# Altium PCB EnergyMeterTestPlugMultiple.PcbDoc
Units mm, origin at the board's own origin, x right, y up, seen from the top; angles counter-clockwise.
Board outline 88.13 x 88.11 mm, 2 copper layers (Top Layer, Bottom Layer); 120 components, 87 nets, 490 pads, 4 vias.
Unrouted connection lines stored in the file: 258.
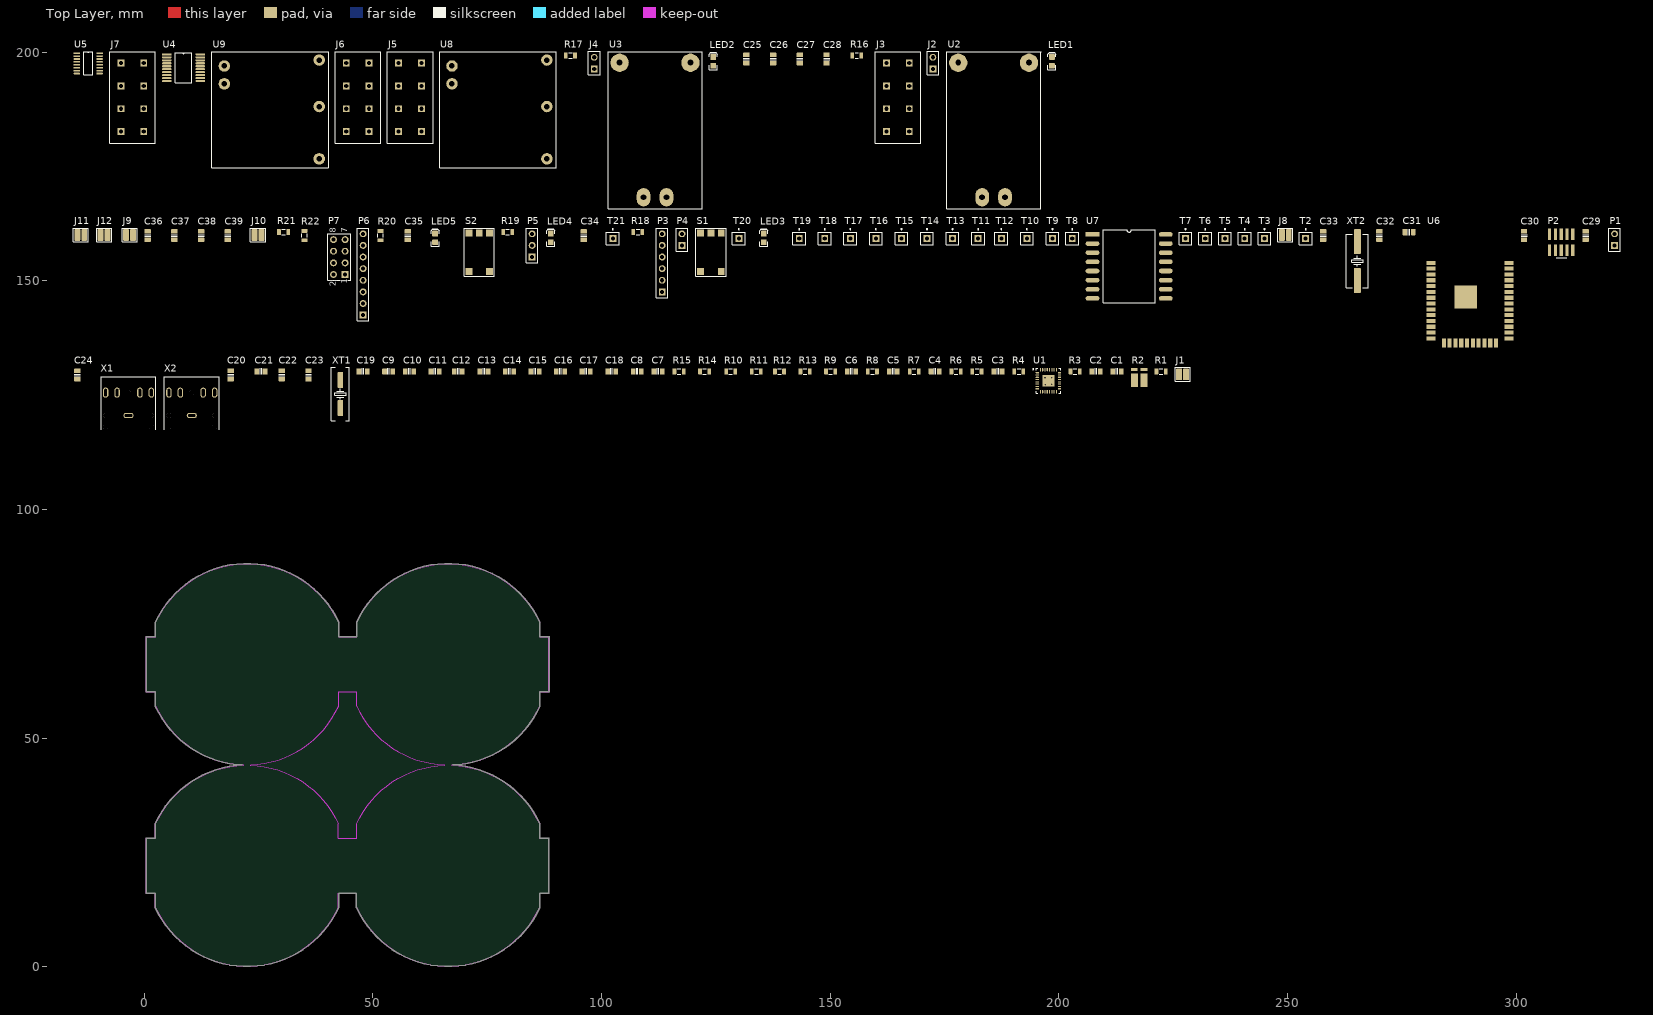
[diagram p0: Top Layer view]
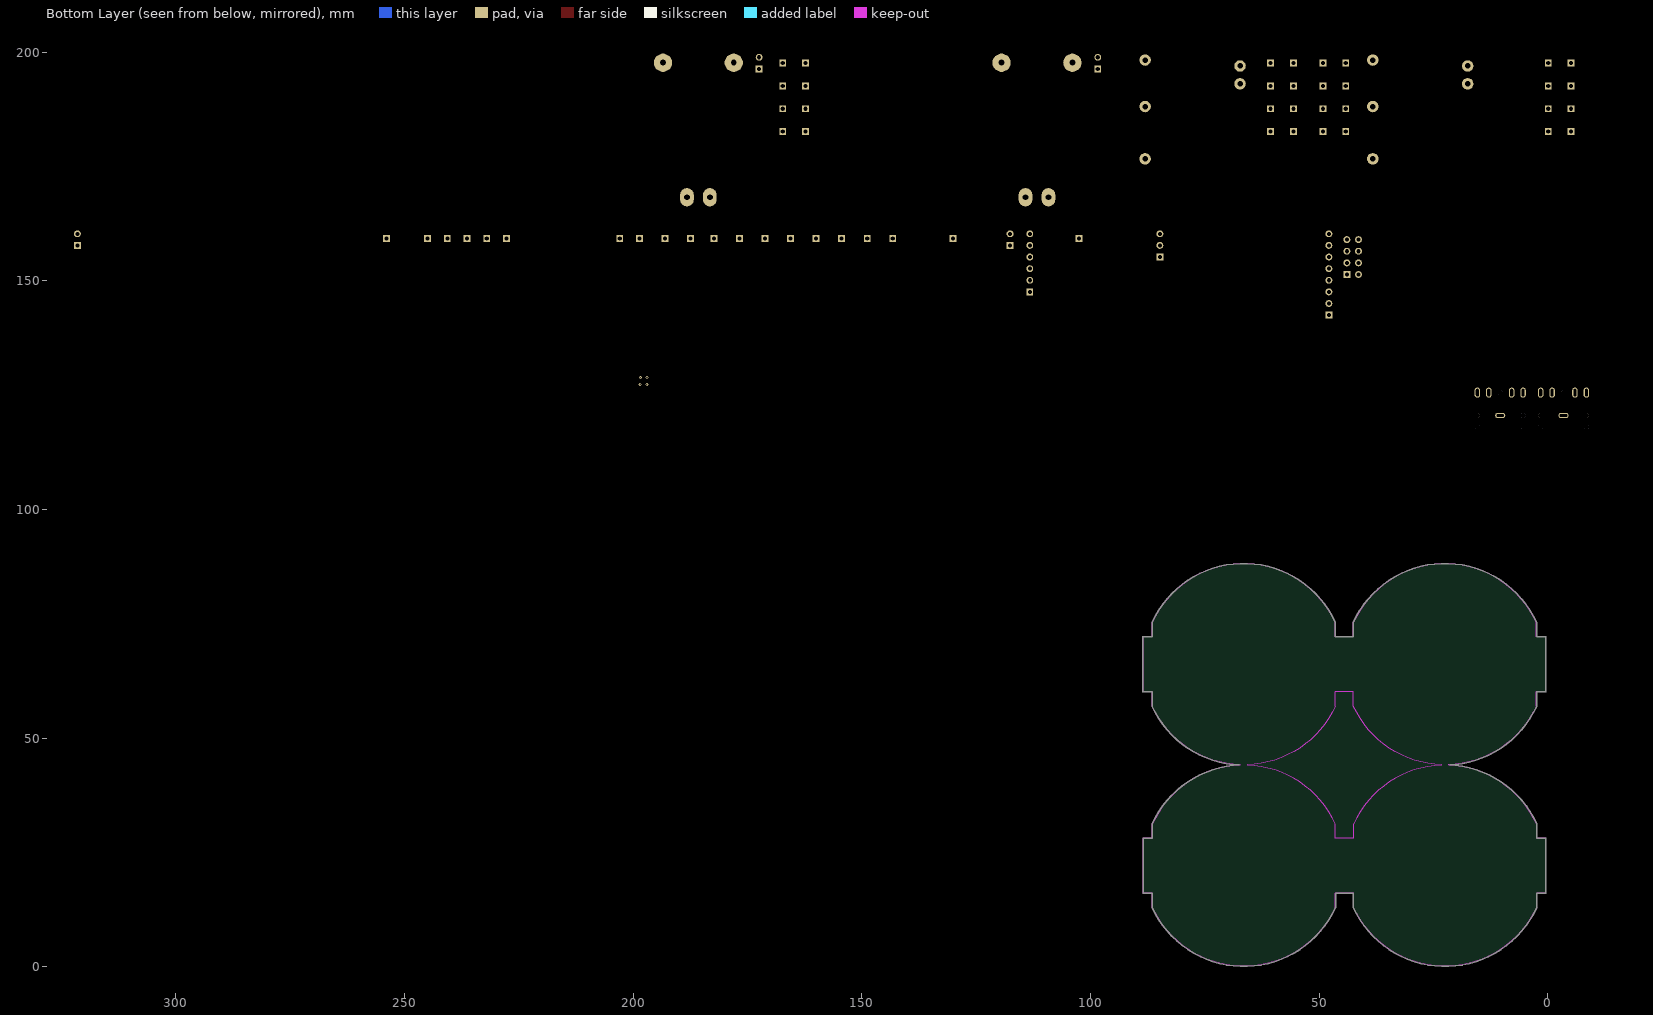
[diagram p1: Bottom Layer view, seen from below]

## Layer stack, top to bottom
Top Solder: solder mask 0.0102, Solder Resist, Dk 3.5
Top Layer: signal copper 0.0356
Dielectric 1: dielectric 0.32, FR-4, Dk 4.8
Bottom Layer: signal copper 0.0356
Bottom Solder: solder mask 0.0102, Solder Resist, Dk 3.5

## Board outline
899 vertices, not listed, extent 0.429,0.061 88.558,88.173

## Design rules (kind name [scope] priority, off if disabled: settings)
Clearance [All] p1: gap=0.254 ignorepadtopadclearanceinfootprint=FALSE except(0: Arc-Hole Track-Hole SMDPad-Hole THPad-Hole Via-Hole Fill-Hole Poly-Hole Region-Hole Text-Hole)
PolygonConnect [All] p1: connectstyle=Relief reliefconductorwidth=0.254 reliefentries=4 polygonreliefangle="90 Angle" airgapwidth=0.254
RoutingVias [All] p1: holewidth=0.711 width=1.27 viastyle="Through Hole" minholewidth=0.711 minwidth=1.27 maxholewidth=0.711 maxwidth=1.27
SolderMaskExpansion [All] p1: expansion=0.102
Width [All] p1: maxlimit=0.254 minlimit=0.254 preferedwidth=0.254
30 further rules are at their usual default settings.

## Classes and differential pairs
component class Isolation_Circuit: C25 C26 C27 C28 J2 J3 J4 J5 J6 J7 LED1 LED2 R16 R17 U2 U3 U4 U5 U8 U9
component class Designator: C29 C30 C31 C32 C33 C34 C35 C36 C37 C38 C39 IC1 J8 J9 J10 J11 J12 LED3 LED4 LED5 P1 P2 P3 P4 P5 P6 P7 R18 R19 R20 R21 R22 S1 S2 T2 T3 T4 T5 T6 T7 T8 T9 T10 T11 T12 T13 T14 T15 T16 T17 T18 T19 T20 T21 U6 U7 XT2

## Components (designator, comment, footprint, x,y, rotation, side; value= is the part's Value field where it differs from the comment)
C1 "approved sub OK" CAPC2012X135N 212.725,130.175 r0 top value=100n
C2 "approved sub OK" CAPC2012X135N 208.153,130.175 r0 top value=100n
C3 "approved sub OK" CAPC2012X135N 186.69,130.175 r0 top value=100n
C4 "approved sub OK" CAPC2012X135N 172.974,130.175 r0 top value=100n
C5 "approved sub OK" CAPC2012X135N 163.83,130.175 r0 top value=100n
C6 "approved sub OK" CAPC2012X135N 154.686,130.175 r0 top value=15n
C7 "approved sub OK" CAPC2012X135N 112.395,130.175 r0 top value=47n
C8 "approved sub OK" CAPC2012X135N 107.823,130.175 r0 top value=1u
C9 "approved sub OK" CAPC2012X135N 53.467,130.175 r0 top value=4.7u
C10 "approved sub OK" CAPC2012X135N 58.039,130.175 r0 top value=100n
C11 "approved sub OK" CAPC2012X135N 63.627,130.175 r0 top value=4.7u
C12 "approved sub OK" CAPC2012X135N 68.707,130.175 r0 top value=100n
C13 "approved sub OK" CAPC2012X135N 74.295,130.175 r0 top value=470n
C14 "approved sub OK" CAPC2012X135N 79.883,130.175 r0 top value=100n
C15 "approved sub OK" CAPC2012X135N 85.471,130.175 r0 top value=4.7u
C16 "approved sub OK" CAPC2012X135N 91.059,130.175 r0 top value=100n
C17 "approved sub OK" CAPC2012X135N 96.647,130.175 r0 top value=4.7u
C18 "approved sub OK" CAPC2012X135N 102.235,130.175 r0 top value=100n
C19 "approved sub OK" CAPC2012X135N 47.879,130.175 r0 top value=20n
C20 "approved sub OK" CAPC2012X135N 18.923,129.413 r90 top value=4.7u
C21 "approved sub OK" CAPC2012X135N 25.527,130.175 r0 top value=100n
C22 "approved sub OK" CAPC2012X135N 30.099,129.413 r90 top value=4.7u
C23 "approved sub OK" CAPC2012X135N 35.941,129.413 r90 top value=100n
C24 "approved sub OK" CAPC2012X135N -14.605,129.413 r90 top value=20n
C25 "approved sub OK" CAPC2012X135N 131.699,198.501 r90 top value=100n
C26 "approved sub OK" CAPC2012X135N 137.541,198.501 r90 top value=100n
C27 "approved sub OK" CAPC2012X135N 143.383,198.501 r90 top value=100n
C28 "approved sub OK" CAPC2012X135N 149.225,198.501 r90 top value=100n
C29 "approved sub OK" CAPC2012X135N 315.214,159.893 r90 top value=10u
C30 "approved sub OK" CAPC2012X135N 301.752,159.893 r90 top value=100n
C31 "approved sub OK" CAPC2012X135N 276.606,160.655 r0 top value=4.7u
C32 "approved sub OK" CAPC2012X135N 270.129,159.893 r90 top value=27p
C33 "approved sub OK" CAPC2012X135N 257.81,159.893 r90 top value=27p
C34 "approved sub OK" CAPC2012X135N 96.139,159.893 r90 top value=100n
C35 "approved sub OK" CAPC2012X135N 57.658,159.893 r90 top value=100n
C36 "approved sub OK" CAPC2012X135N 0.762,159.893 r90 top value=100n
C37 "approved sub OK" CAPC2012X135N 6.604,159.893 r90 top value=100n
C38 "approved sub OK" CAPC2012X135N 12.446,159.893 r90 top value=100n
C39 "approved sub OK" CAPC2012X135N 18.288,159.893 r90 top value=100n
J1 "Jumper" JUMP1 227.076,129.54 r0 top
J2 "Jumper" HDR1X2 172.466,196.342 r90 top
J3 "SPTAF 1/4-5-LL" "SPTAF 1/4-5-LL" 162.306,197.612 r0 top
J4 "Jumper" HDR1X2 98.425,196.342 r90 top
J5 "SPTAF 1/4-5-LL" "SPTAF 1/4-5-LL" 55.626,197.612 r0 top
J6 "SPTAF 1/4-5-LL" "SPTAF 1/4-5-LL" 44.196,197.612 r0 top
J7 "SPTAF 1/4-5-LL" "SPTAF 1/4-5-LL" -5.08,197.612 r0 top
J8 "Jumper" JUMP1 249.555,160.02 r0 top
J9 "Jumper" JUMP1 -3.175,160.02 r0 top
J10 "Jumper" JUMP1 24.892,160.02 r0 top
J11 "Jumper" JUMP1 -13.843,160.02 r0 top
J12 "Jumper" JUMP1 -8.763,160.02 r0 top
LED1 "Green" LED-0805-K 198.501,197.993 r90 top
LED2 "Green" LED-0805-K 124.46,197.993 r90 top
LED3 "Green" LED-0805-K 135.509,159.385 r90 top
LED4 "Green" LED-0805-K 88.9,159.385 r90 top
LED5 "Green" LED-0805-K 63.627,159.385 r90 top
P1 "Header 2" HDR1X2 321.564,157.734 r90 top
P2 "SWD connector" "SWD connector" 307.34,156.718 r0 top
P3 "Header 6" HDR1X6 113.284,147.574 r90 top
P4 "Header 2" HDR1X2 117.602,157.734 r90 top
P5 "Header 3" HDR1X3 84.836,155.194 r90 top
P6 "LCD" HDR1X8 47.879,142.494 r90 top
P7 "NRF24L01" HDR2X4 43.942,151.384 r90 top
R1 "Thick Film" RESC2012X70N 222.377,130.175 r0 top value=100K
R2 "WSK1216" WSK1216 216.535,128.27 r0 top
R3 "Thick Film" RESC2012X70N 203.581,130.175 r0 top value=100K
R4 "Thick Film" RESC2012X70N 191.262,130.175 r0 top value=0R
R5 "Thick Film" RESC2012X70N 182.118,130.175 r0 top value=100K
R6 "Thick Film" RESC2012X70N 177.546,130.175 r0 top value=100K
R7 "Thick Film" RESC2012X70N 168.402,130.175 r0 top value=100K
R8 "Thick Film" RESC2012X70N 159.258,130.175 r0 top value=100K
R9 "Thick Film" RESC2012X70N 150.114,130.175 r0 top value=1K
R10 "Thick Film" RESC2012X70N 128.27,130.175 r0 top value=250K
R11 "Thick Film" RESC2012X70N 133.858,130.175 r0 top value=250K
R12 "Thick Film" RESC2012X70N 138.938,130.175 r0 top value=250K
R13 "Thick Film" RESC2012X70N 144.526,130.175 r0 top value=250K
R14 "Thick Film" RESC2012X70N 122.555,130.175 r0 top value=10K
R15 "Thick Film" RESC2012X70N 116.967,130.175 r0 top value=10K
R16 "Thick Film" RESC2012X70N 155.829,199.263 r0 top value=1K
R17 "Thick Film" RESC2012X70N 93.218,199.263 r0 top value=1K
R18 "Thick Film" RESC2012X70N 107.95,160.655 r0 top value=1K
R19 "Thick Film" RESC2012X70N 79.502,160.655 r0 top value=1K
R20 "Thick Film" RESC2012X70N 51.689,159.893 r90 top value=1K
R21 "Thick Film" RESC2012X70N 30.48,160.655 r0 top value=1K
R22 "Thick Film" RESC2012X70N 35.052,159.893 r90 top value=1K
S1 "SMD_BUTTON" SMD_BUTTON 123.952,156.21 r90 top
S2 "SMD_BUTTON" SMD_BUTTON 73.279,156.21 r90 top
T2 "Test Point" PIN1 254,159.258 r0 top
T3 "Test Point" PIN1 244.983,159.258 r0 top
T4 "Test Point" PIN1 240.665,159.258 r0 top
T5 "Test Point" PIN1 236.347,159.258 r0 top
T6 "Test Point" PIN1 232.029,159.258 r0 top
T7 "Test Point" PIN1 227.711,159.258 r0 top
T8 "Test Point" PIN1 202.946,159.258 r0 top
T9 "Test Point" PIN1 198.628,159.258 r0 top
T10 "Test Point" PIN1 193.04,159.258 r0 top
T11 "Test Point" PIN1 182.372,159.258 r0 top
T12 "Test Point" PIN1 187.452,159.258 r0 top
T13 "Test Point" PIN1 176.784,159.258 r0 top
T14 "Test Point" PIN1 171.196,159.258 r0 top
T15 "Test Point" PIN1 165.608,159.258 r0 top
T16 "Test Point" PIN1 160.02,159.258 r0 top
T17 "Test Point" PIN1 154.432,159.258 r0 top
T18 "Test Point" PIN1 148.844,159.258 r0 top
T19 "Test Point" PIN1 143.256,159.258 r0 top
T20 "Test Point" PIN1 130.048,159.258 r0 top
T21 "Test Point" PIN1 102.489,159.258 r0 top
U1 "ADE9153A" CP-32-12_L 197.739,128.143 r0 top
U2 "HLK-PM03" HLK-PM03 183.261,168.275 r90 top
U3 "HLK-PM03" HLK-PM03 109.22,168.275 r90 top
U4 "MAX14483" SSOP20 4.953,199.517 r0 top
U5 "SI8663BB-B-IU" QSOP16 -14.732,199.771 r0 top
U6 "ESP32-WROOM-32U" ESP32-WROOM-32U 281.432,153.924 r0 top
U7 "Ra-02 LoRa" "Ra-02 LoRa" 207.391,160.147 r0 top
U8 "AC/DC 3.3V" RAC05-3.3SK 67.31,196.977 r0 top
U9 "AC/DC 3.3V" RAC05-3.3SK 17.526,196.977 r0 top
X1 "35RAPC4BHN2" "35RAPC _ _ HN2" -3.429,121.793 r90 top
X2 "35RAPC4BHN2" "35RAPC _ _ HN2" 10.414,121.793 r90 top
XT1 "12.288 MHz" ABLS7M2 42.926,125.222 r90 top
XT2 "20.00MHz" CRYSTAL_HC49-US-SM 265.303,154.305 r90 top

## Footprints (in the part's own frame and the unit in brackets; to place one, negate y for a bottom-side part, rotate by r counter-clockwise, add the part's x,y. Pads: shape width x height; smd on the part's side, far side on the other; paste and mask are expansions set on the pad)
"35RAPC _ _ HN2" [mm] "Switchcraft 3.5mm audio jack"
  round 1 hole 1.2 unplated: 0(-3.75,-5) 0(-3.75,5) 0(-1.25,5) 0(-1.25,-5) 0(3.75,0)
  oval 1.2x2.2 hole 0.6 slot 1.6 at 90 deg: 1(-1.25,0)
  oval 2.2x1.2 hole 0.6 slot 1.6 at 0 deg: 2(3.75,-5) 3(3.75,5) 10(3.75,-2.5) 11(3.75,2.5)
  silkscreen extent -4.35,-6 7.25,6, body extent -7.75,-6 6.25,6, height 5.7
ABLS7M2 [mm] "SMD Crystal HC49/US-SM package"
  round 0.508 on Mech15: 0(0,0)
  rrect25% 3.5x1.2 smd: 1(-3.07,0) 2(3.07,0)
  silkscreen extent -5.84,-1.96 5.84,1.96
CAPC2012X135N [mm] "Chip Capacitor, Body 2.0x1.2mm, EIA 0805, IPC Medium Density"
  round 0.254 on Mech15: 0(0,0)
  rrect25% 1x1.4 smd: 1(-0.9,0) 2(0.9,0)
  Top Layer pour cut-out: -0.675,0.7 -0.475,0.9 0.475,0.9 0.675,0.7 0.675,-0.7 0.475,-0.9 -0.475,-0.9 -0.675,-0.7
  silkscreen extent -0.15,-0.65 0.15,0.65, body extent -1.1,-0.72 1.1,0.73, height 1.34
CP-32-12_L [mm] "QFN, 32-Leads, Body 5x5mm, Pitch 0.5mm, Thermal Pad 2.6x2.6mm, IPC High Density"
  oval 0.75x0.25 smd: 1(-2.425,1.75) 2(-2.425,1.25) 3(-2.425,0.75) 4(-2.425,0.25) 5(-2.425,-0.25) 6(-2.425,-0.75) 7(-2.425,-1.25) 8(-2.425,-1.75) 17(2.425,-1.75) 18(2.425,-1.25) 19(2.425,-0.75) 20(2.425,-0.25) 21(2.425,0.25) 22(2.425,0.75) 23(2.425,1.25) 24(2.425,1.75)
  oval 0.25x0.75 smd: 9(-1.75,-2.425) 10(-1.25,-2.425) 11(-0.75,-2.425) 12(-0.25,-2.425) 13(0.25,-2.425) 14(0.75,-2.425) 15(1.25,-2.425) 16(1.75,-2.425) 25(1.75,2.425) 26(1.25,2.425) 27(0.75,2.425) 28(0.25,2.425) 29(-0.25,2.425) 30(-0.75,2.425) 31(-1.25,2.425) 32(-1.75,2.425)
  rect 2.6x2.6 smd: 33(0,0)
  silkscreen extent -3.47,-2.7 2.7,2.7, body extent -2.55,-2.55 2.55,2.55, height 0.8
CRYSTAL_HC49-US-SM [mm] "SMD Crystal HC49/US-SM package"
  round 0.508 on Mech15: 0(0,0)
  rrect25% 5.5x1.5 smd: 1(-4.25,0) 2(4.25,0)
  silkscreen extent -5.84,-2.41 5.84,2.41, body extent -6.4,-2.41 6.4,2.42, height 4.29
ESP32-WROOM-32U [mm]
  rect 2x0.9 smd: 1(0,0) 2(0,-1.27) 3(0,-2.54) 4(0,-3.81) 5(0,-5.08) 6(0,-6.35) 7(0,-7.62) 8(0,-8.89) 9(0,-10.16) 10(0,-11.43) 11(0,-12.7) 12(0,-13.97) 13(0,-15.24) 14(0,-16.51) 25(17,-16.51) 26(17,-15.24) 27(17,-13.97) 28(17,-12.7) 29(17,-11.43) 30(17,-10.16) 31(17,-8.89) 32(17,-7.62) 33(17,-6.35) 34(17,-5.08) 35(17,-3.81) 36(17,-2.54) 37(17,-1.27) 38(17,0)
  rect 0.9x2 smd: 15(2.78,-17.51) 16(4.05,-17.51) 17(5.32,-17.51) 18(6.59,-17.51) 19(7.86,-17.51) 20(9.13,-17.51) 21(10.4,-17.51) 22(11.67,-17.51) 23(12.94,-17.51) 24(14.21,-17.51)
  rect 5x5 smd: 38(7.56,-7.47)
  body extent -0.57,-17.89 17.51,7.65, height 3
HDR1X2 [mm] "Connector; Header; 2 Position"
  rect 1.5x1.5 hole 0.9: 1(0,0)
  round 1.5 hole 0.9: 2(2.54,0)
  silkscreen extent -1.27,-1.27 3.81,1.27
HDR1X3 [mm] "Connector; Header; 3 Position"
  rect 1.5x1.5 hole 0.9: 1(0,0)
  round 1.5 hole 0.9: 2(2.54,0) 3(5.08,0)
  silkscreen extent -1.27,-1.27 6.35,1.27
HDR1X6 [mm] "Connector; Header; 6 Position"
  rect 1.5x1.5 hole 0.9: 1(0,0)
  round 1.5 hole 0.9: 2(2.54,0) 3(5.08,0) 4(7.62,0) 5(10.16,0) 6(12.7,0)
  silkscreen extent -1.27,-1.27 13.97,1.27
HDR1X8 [mm] "Connector; Header; 8 Position"
  rect 1.5x1.5 hole 0.9: 1(0,0)
  round 1.5 hole 0.9: 2(2.54,0) 3(5.08,0) 4(7.62,0) 5(10.16,0) 6(12.7,0) 7(15.24,0) 8(17.78,0)
  silkscreen extent -1.27,-1.27 19.05,1.27
HDR2X4 [mm] "Connector; Header; 4x2 Position"
  rect 1.5x1.5 hole 0.9: 1(0,0)
  round 1.5 hole 0.9: 2(0,2.54) 3(2.54,0) 4(2.54,2.54) 5(5.08,0) 6(5.08,2.54) 7(7.62,0) 8(7.62,2.54)
  silkscreen extent -1.27,-1.27 8.89,3.81
HLK-PM03 [mm]
  oval 4x3 hole 1.3: 1(0,-5.004) 2(0,0)
  round 4 hole 1.3: 3(29.413,5.232) 4(29.413,-10.236)
  silkscreen extent -2.54,-12.88 31.85,7.75, body extent -2.29,-12.67 31.71,7.53, height 15.6
JUMP1 [mil] "SMT Battery jumper pads"
  rrect25% 50x100 smd: 1(-30,0) 2(30,0)
  rrect25% 118x108 on Top Solder: SM(0,0)
  silkscreen extent -65,-60 65,60
LED-0805-K [mil]
  round 20 on Mech15: 0(0,0)
  rrect25% 50x50 smd: A(-37.5,0) K(37.5,0)
  Top Layer pour cut-out: -15,30 15,30 15,-30 -15,-30
  silkscreen extent -72,-35 77,35, body extent -39,-25 39,25, height 31
PIN1 [mm] "Generic Antenna; 1 Lead"
  rect 1.5x1.5 hole 0.9: 1(0,0)
  silkscreen extent -1.4,-1.4 1.4,2.17
QSOP16 [mm]
  rect 1.45x0.35 smd: 1(0,0)
  oval 1.45x0.35 smd: 2(0,-0.635) 3(0,-1.27) 4(0,-1.905) 5(0,-2.54) 6(0,-3.175) 7(0,-3.81) 8(0,-4.445) 9(5,-4.445) 10(5,-3.81) 11(5,-3.175) 12(5,-2.54) 13(5,-1.905) 14(5,-1.27) 15(5,-0.635) 16(5,0)
  silkscreen extent 1.56,-4.76 3.44,0.32, body extent -0.59,-4.71 5.61,0.27, height 1.75
"Ra-02 LoRa" [mm]
  rect 3x1 smd: 1(0,0)
  oval 3x1 smd: 2(0,-2) 3(0,-4) 4(0,-6) 5(0,-8) 6(0,-10) 7(0,-12) 8(0,-14) 9(16,-14) 10(16,-12) 11(16,-10) 12(16,-8) 13(16,-6) 14(16,-4) 15(16,-2) 16(16,0)
  silkscreen extent 2.33,-15 13.67,1, body extent -0.21,-15.51 15.79,1.49, height 3.2
RAC05-3.3SK [mm]
  round 2.5 hole 1.2: 1(0,-3.9) 2(0,0) 3(20.76,-20.3) 4(20.76,-8.87) 5(20.76,1.29)
  silkscreen extent -2.7,-22.27 22.79,3.13
RESC2012X70N [mm] "Chip Resistor, Body 2.0x1.2mm, EIA 0805, IPC Medium Density"
  round 0.254 on Mech15: 0(0,0)
  rrect25% 0.8x1.3 smd: 1(-1,0) 2(1,0)
  Top Layer pour cut-out: -0.725,0.65 -0.525,0.85 0.525,0.85 0.725,0.65 0.725,-0.65 0.525,-0.85 -0.525,-0.85 -0.725,-0.65
  silkscreen extent -0.38,-0.64 0.38,0.64, body extent -1.1,-0.67 1.1,0.68, height 0.69
SMD_BUTTON [mm]
  rect 1.5x1.5 smd: 1(-4.204,2.261) 1(4.204,2.261) 2(-4.204,-2.261) 2(4.204,-2.261) 5(4.204,0)
  silkscreen extent -5.22,-3.33 5.32,3.28, body extent -3.95,-3.3 4.05,3.2, height 3.1
"SPTAF 1/4-5-LL" [mm]
  rect 1.5x1.5 hole 0.9: 1(0,0) 1(5,0) 2(0,-5) 2(5,-5) 3(0,-10) 3(5,-10) 4(0,-15) 4(5,-15)
  silkscreen extent -2.44,-17.5 7.56,2.5
SSOP20 [mm]
  rect 2.1x0.45 smd: 1(0,0)
  oval 2.1x0.45 smd: 2(0,-0.65) 3(0,-1.3) 4(0,-1.95) 5(0,-2.6) 6(0,-3.25) 7(0,-3.9) 8(0,-4.55) 9(0,-5.2) 10(0,-5.85) 11(7.35,-5.85) 12(7.35,-5.2) 13(7.35,-4.55) 14(7.35,-3.9) 15(7.35,-3.25) 16(7.35,-2.6) 17(7.35,-1.95) 18(7.35,-1.3) 19(7.35,-0.65) 20(7.35,0)
  silkscreen extent 1.89,-6.18 5.47,0.33, body extent -0.25,-6.6 7.65,0.73, height 3
"SWD connector" [mm]
  rect 0.7x2.5 smd: 1(0,0) 2(0,3.49) 3(1.27,0) 4(1.27,3.49) 5(2.54,0) 6(2.54,3.49) 7(3.81,0) 8(3.81,3.49) 9(5.08,0) 10(5.08,3.49)
  silkscreen extent 1.46,-1.73 3.75,-1.73, body extent -0.64,-0.98 5.71,4.52, height 4.6
WSK1216 [mm] "Power Metal Strip Resistors, Low Value,  High Power, Surface-Mount, 4-Terminal"
  rect 1.495x2.95 smd: 1(0,0) 2(2.14,0)
  rect 1.495x0.7 smd: 3(-0.01,2.33) 4(2.14,2.33)

## Part data
C1 C2 C3 C4 C5 C6 C7 C8 C9 C10 C11 C12 C13 C14 C15 C16 C17 C18 C19 C20 C21 C22 C23 C24 C25 C26 C27 C28 C29 C30 C31 C34 C35 C36 C37 C38 C39: library part CAPC_100n_0805_X7R_50V_10%, "Capacitor SMD Cer 100nF 10% 50V X7R 0805", Manufacturer 1=Kemet, Manufacturer Part Number 1=C0805C104K5RACTU, Package / Case="0805 (2012 metric)", Ratings="50V; X7R", Supplier Part Number 1=399-1170-1-ND, Tolerance=±10%, Material=ceramic, SCDType=undef, Supplier 1=Digi-Key
C32 C33: library part CAPC_27p_0805_NP0_50V_5%, "Capacitor SMD Cer 27pF 5% 50V NP0 0805", Manufacturer 1="Panasonic - ECG", Manufacturer Part Number 1=ECJ-2VC1H270J, Operating Temperature="-55°C ~ 125°C", Package / Case="0805 (2012 metric)", Ratings="50V; NP0", Supplier Part Number 1=PCC270CGCT-ND, Tolerance=±5%, SCDType=undef, Supplier 1=Digi-Key
J1 J2 J4 J8 J9 J10 J11 J12: library part JUMP1, "SMD jumper"
LED1 LED2 LED3 LED4 LED5: library part LED_SMD_Green_0805_6mcd, "LED, 0805 SMD, Green", Manufacturer 1=LITE-ON, Manufacturer Part Number 1=LTST-C171GKT, Package / Case=0805, Ratings="6 mcd; 569 nm", Supplier Part Number 1=160-1423-1-ND, Color=Green, Material=GaP, SCDType=source, Supplier 1=Digi-Key
P1 P4: "Header, 2-Pin", LatestRevisionDate=17-Jul-2002, LatestRevisionNote="Re-released for DXP Platform.", Publisher="Altium Limited"
P2: library part SW_debug
P3: "Header, 6-Pin", LatestRevisionDate=17-Jul-2002, LatestRevisionNote="Re-released for DXP Platform.", Publisher="Altium Limited"
P5: "Header, 3-Pin", LatestRevisionDate=17-Jul-2002, LatestRevisionNote="Re-released for DXP Platform.", Publisher="Altium Limited"
P6: library part "Header 8", "Header, 8-Pin", LatestRevisionDate=17-Jul-2002, LatestRevisionNote="Re-released for DXP Platform.", Publisher="Altium Limited"
P7: library part "Header 4X2", "Header, 4-Pin, Dual row", LatestRevisionDate=17-Jul-2002, LatestRevisionNote="Re-released for DXP Platform.", Publisher="Altium Limited"
R1 R3 R4 R5 R6 R7 R8 R9 R10 R11 R12 R13 R14 R15: library part RES_100K_0805_1%, "Resistor SMD chip 100k Ohm 0.125W 1% 0805", Manufacturer 1=Vishay/Dale, Manufacturer Part Number 1=CRCW0805100KFKEA, Package / Case="0805 (2012 metric)", Ratings=1/8W, Supplier Part Number 1=541-100KCCT-ND, SCDType=spec, Supplier 1=Digi-Key
R2: library part wsk1216, "Power Metal Strip® Resistors, Low Value, / High Power, Surface-Mount, 4-Terminal", Mouser=71-WSK12161L000FEA
R16 R17 R18 R19 R20 R21 R22: library part RES_1K_0805_1%, "Resistor SMD chip 1k Ohm 0.125W 1% 0805", Manufacturer 1=Vishay/Dale, Manufacturer Part Number 1=CRCW08051K00FKEA, Package / Case="0805 (2012 metric)", Ratings=1/8W, Supplier Part Number 1=541-1.00KCCT-ND, Tolerance=±1%, SCDType=spec, Supplier 1=Digi-Key
T2 T3 T4 T5 T6 T7 T8 T9 T10 T11 T12 T13 T14 T15 T16 T17 T18 T19 T20 T21: library part Test_Point
U1: "Energy Metering IC with Autocalibration", Mouser=584-ADE9153AACPZ
U2 U3: "AC 220V to DC 3.3V"
U4: "6-Channel, Low-Power, / 3.75kVRMS, SPI Digital Isolator", Mouser=700-MAX14483AAP+
U5: library part Si8663BC-B-IS1, "Low Power Six-Channel Digital Isolator, 150 Mbps, 3.75 kVRMS Isolation Rating, -40 to 125 degC, 16-pin SOIC", Isolation Rating (kV)=3.75, Manufacturer="Silicon Labs", Supplier Part Number 1=336-2128-5-ND, 10kV surge=FALSE, AEC-Q100=FALSE, Channel Type=Unidirectional, Code_IPC=J-STD-020, Code_JEDEC=MS-012, ComponentLink1Description="Manufacturer URL", ComponentLink1URL=http://www.silabs.com/, ComponentLink2Description=Datasheet, ComponentLink2URL=http://www.silabs.com/Support%20Documents/TechnicalDocs/Si866x.pdf, ComponentLink3Description="Package Specification", ComponentLink3URL=http://www.silabs.com/Support%20Documents/TechnicalDocs/si2401.pdf, DatasheetVersion="Rev. 1.4", Enable Control=FALSE, Maximum Data Rate (Mbps)=150, Maximum Propagation Delay (ns)=13, Mounting Technology="Surface Mount", Mouser=634-SI8660BB-B-IU, PackageDescription="16-Pin Small-Outline Integrated Circuit, Body 9.9 x 3.9 mm, Pitch 1.27 mm", PackageReference=SOIC-16-NB, PartNumber=Si8663BC-B-IS1, Sub-Family=Isolators, Supplier 1=Digi-Key, Supplier 2=Mouser, Supplier Part Number 2=634-SI8663BC-B-IS1
U6: "Wi-Fi+BT+BLE MCU modules", ComponentLink1Description=Espressif, ComponentLink1URL=https://hr.mouser.com/datasheet/2/891/esp32-wroom-32d_esp32-wroom-32u_datasheet_en-1365844.pdf, Mouser=356-ES32WROOM32U16MB
U8 U9: library part RAC05-3.3SK, Mouser=919-RAC05-3.3SK
X1 X2: library part "Audio jack 35RAPC4BHN2", "Switchcraft 35RAPC4BHN2, 3.5mm stereo jack"
XT1 XT2: library part Crystal_6MHz_HC49/US, "Resonator Ceramic 6.00 MHz 30ppm", Frequency=6MHz, Frequency Stability=±50ppm, Frequency Tolerance=±30ppm, Load Capacitance=18pF, Manufacturer 1="CTS-Frequency Controls", Manufacturer Part Number 1=ATS060BSM-1, Operating Mode=Fundamental, Operating Temperature="-20°C ~ 70°C", Package / Case=HC49/US-SM, Ratings="6.00 MHz", Supplier Part Number 1=CTX882CT-ND, ComponentLink1Description=http://www.ctscorp.com/components/Datasheets/008-0309-0.pdf, ComponentLink1URL=http://www.ctscorp.com/components/Datasheets/008-0309-0.pdf, Mounting Type="Surface Mount", Parameter Name="0.169\" (4.30mm)", SCDType=spec, Size / Dimension="0.437\" L x 0.190\" W (11.10mm x 4.83mm)", Supplier 1=Digi-Key, Type="MHz Crystal"

## Via types
v1: diameter 0.65, hole 0.35, Top Layer to Bottom Layer, 4 vias

## Nets (pads, with @x,y where several pads share a name; then routed paths per layer and width w, separated by ;. In a path a pad name is that pad's centre, name@x,y a point inside that pad or via, vN(x,y) a via of type N, cw(c..) or ccw(c..) an arc to the next point about the centre after c; other vN are vias at no path point)
3V3-ADE: C20.1 C21.1 C22.1 C23.1 C25.1 C26.1 J2.1 J5.1 J6.1 R14.1 R15.1 R16.1 U1.5 U1.24 U4.1 U5.1 U8.5
AO-LCD: P6.4 T16.1
AVDDOUT: C9.1 C10.1 U1.16
BOOT0: R21.2
BOOT1: R22.2
CE-NRF: P3.1 P7.3 T9.1
CLK-ESP: P5.1 P7.5 T2.1 U6.20 U7.12
CLKIN: C19.2 U1.4 XT1.2
CLKOUT: C24.2 U1.3 XT1.1
CS-ESP: P3.4 T13.1 U6.19
CS-LCD: P6.6 T17.1
CSN-NRF: P3.2 P7.4 T10.1
CT1: R5.2 R6.1 X1.1 X2.1
CT2: R7.2 R8.2 X1.3 X2.2
DVDOUT: C17.1 C18.1 U1.2
FA1: C7.2 U1.22
FA2: C7.1 U1.23
GND: C27.2 C28.2 C29.1 C30.1 C31.2 C32.1 C33.1 C34.1 C35.1 C36.2 C37.2 C38.2 C39.2 J5.4 J6.4 J8.2 J11.2 J12.2 LED2.K LED3.K LED4.K LED5.K P2.3 P2.5 P6.7 P7.1 S1.2 S2.2 U3.3 U4.11 U4.12 U5.9 U6.1 U6.15 U6.38 U7.1 U7.2 U7.9 U7.16 U9.4
GND-ADE: C1.2 C2.1 C3.2 C4.2 C5.1 C8.2 C9.2 C10.2 C11.2 C12.2 C13.2 C14.2 C15.2 C16.2 C17.2 C18.2 C19.1 C20.2 C21.2 C22.2 C23.2 C24.1 C25.2 C26.2 J1.1 J5.2 J6.2 LED1.K R6.2 R7.1 U1.1 U1.9 U1.17 U1.19 U1.20 U2.3 U4.2 U4.10 U5.8 U8.4
IAMS: C3.1 R4.1 U1.6
IAN: C2.2 R3.1 U1.7
IAP: C1.1 R1.1 U1.8
IBN: C4.1 R5.1 U1.11
IBP: C5.2 R8.1 U1.12
IRQ-NRF: P3.6 P7.8 T15.1
LED1: R18.1
LED2: R19.1
LED3: R20.1
MISO-ESP: P3.5 P7.7 T14.1 U6.22 U7.13
MISO-LCD: P6.5 T18.1
MOSI-ESP: P3.3 P7.6 T11.1 U6.21 U7.14
MOSI-LCD: P6.3 T19.1
MSH: C13.1 C14.1 U1.21
NetC31_1: C31.1
NetIC1_17: T4.1 U5.14
NetIC1_20: T5.1 U5.12
NetIC1_21: T6.1 U4.14
NetIC1_22: T7.1 U4.17
NetIC1_23: T8.1 U4.15
NetIC1_24: T20.1 U4.13
NetIC1_25: T21.1 U5.15
NetIC1_27: T3.1 U5.13
NetJ2_2: J2.2 U2.4
NetJ3_1: J3.1 U2.1 U3.1
NetJ4_2: J4.2 U3.4
NetJ8_1: J8.1 U6.25
NetJ9_2: J9.2 J11.1 R21.1
NetJ10_2: J10.2 J12.1 R22.1
NetLED1_A: LED1.A R16.2
NetLED2_A: LED2.A R17.2
NetLED3_A: LED3.A R18.2
NetLED4_A: LED4.A R19.2
NetLED5_A: LED5.A R20.2
NetR1_2: R1.2 R2.4
NetR2_3: R2.3 R3.2
NetR10_1: R10.1 R11.2
NetR11_1: R11.1 R12.2
NetR12_1: R12.1 R13.2
NetU1_25: U1.25 U5.3
NetU1_26: U1.26 U5.2
NetU1_27: U1.27 U5.4
NetU1_29: U1.29 U4.6
NetU1_30: U1.30 U4.4
NetU1_31: U1.31 U4.7
NEUTRAL: J3.4 J7.1 R10.2 U2.2 U3.2 U8.2 U9.2
NSS-LORA: P5.2 U7.15
PHASE: J1.2 J7.3 R2.2 U8.1 U9.1
PHASE-OUT: J7.4 R2.1 R4.2
REFIN: C11.1 C12.1 U1.18
RES-ADE-HOT: C8.1 R15.2 U1.28 U5.5
RES-LORA: P5.3 U7.4
RESET: P2.10
RXD0-ESP32: P1.2 P4.1 U6.34
SCLK-LCD: P6.2 T12.1
SS-ADE-HOT: R14.2 U1.32 U4.8
SW1: C34.2 S1.1
SW2: C35.2 S2.1
SWCLK: P2.4
SWDIO: P2.2
SWO: P2.6
TXD0-ESP32: P1.1 P4.2 U6.35
VAN: C6.1 R9.1 U1.13 U1.15
VAP: C6.2 R9.2 R13.1 U1.14
VCC: C27.1 C28.1 C29.2 C30.2 C36.1 C37.1 C38.1 C39.1 J4.1 J5.3 J6.3 J9.1 J10.1 P2.1 P6.1 P6.8 P7.2 R17.1 U4.20 U5.16 U6.2 U6.3 U7.3 U9.5
VDDOUT: C15.1 C16.1 U1.10
XT1-1: C32.2 XT2.2
XT1-2: C33.2 XT2.1
pads on no net: C1.0 C2.0 C3.0 C4.0 C5.0 C6.0 C7.0 C8.0 C9.0 C10.0 C11.0 C12.0 C13.0 C14.0 C15.0 C16.0 C17.0 C18.0 C19.0 C20.0 C21.0 C22.0 C23.0 C24.0 C25.0 C26.0 C27.0 C28.0 C29.0 C30.0 C31.0 C32.0 C33.0 C34.0 C35.0 C36.0 C37.0 C38.0 C39.0 J1.SM J3.2 J3.3 J7.2 J8.SM J9.SM J10.SM J11.SM J12.SM LED1.0 LED2.0 LED3.0 LED4.0 LED5.0 P2.7 P2.8 P2.9 R1.0 R3.0 R4.0 R5.0 R6.0 R7.0 R8.0 R9.0 R10.0 R11.0 R12.0 R13.0 R14.0 R15.0 R16.0 R17.0 R18.0 R19.0 R20.0 R21.0 R22.0 S1.5 S2.5 U1.33 U4.3 U4.5 U4.9 U4.16 U4.18 U4.19 U5.6 U5.7 U5.10 U5.11 U6.4 U6.5 U6.6 U6.7 U6.8 U6.9 U6.10 U6.11 U6.12 U6.13 U6.14 U6.16 U6.17 U6.18 U6.23 U6.24 U6.26 U6.27 U6.28 U6.29 U6.30 U6.31 U6.32 U6.33 U6.36 U6.37 U7.5 U7.6 U7.7 U7.8 U7.10 U7.11 U8.3 U9.3 X1.0 X1.2 X1.10 X1.11 X2.0 X2.3 X2.10 X2.11 XT1.0 XT2.0
copper on no net:
  other v1: 197.009,127.283 198.479,127.343 196.999,128.823 198.469,128.833

## Keep-outs
Keep-Out Layer:
  lines w0.1: 21.718,44.085 20.201,43.98 18.694,43.77 17.206,43.457 15.742,43.041 14.311,42.526 12.919,41.912 11.573,41.204 10.279,40.405 9.043,39.518 7.871,38.548 6.769,37.499 5.743,36.377 4.796,35.186 3.934,33.933 3.16,32.623 2.479,31.263 2.479,28.098 0.479,28.098 0.479,16.098 2.479,16.098 2.479,12.933 3.16,11.573 3.934,10.263 4.796,9.01 5.743,7.819 6.769,6.697 7.871,5.648 9.043,4.678 10.279,3.791 11.573,2.992 12.919,2.284 14.311,1.67 15.742,1.155 17.206,0.739 18.694,0.426 20.201,0.216 21.718,0.111 23.24,0.111 24.757,0.216 26.264,0.426 27.752,0.739 29.216,1.155 30.647,1.67 32.039,2.284 33.385,2.992 34.679,3.791 35.915,4.678 37.087,5.648 38.189,6.697 39.215,7.819 40.162,9.01 41.024,10.263 41.798,11.573 42.479,12.933 42.479,16.098 44.479,16.098 46.479,16.098 46.479,12.933 47.16,11.573 47.934,10.263 48.796,9.01 49.743,7.819 50.769,6.697 51.871,5.648 53.043,4.678 54.279,3.791 55.573,2.992 56.919,2.284 58.311,1.67 59.742,1.155 61.206,0.739 62.694,0.426 64.201,0.216 65.718,0.111 67.24,0.111 68.757,0.216 70.264,0.426 71.752,0.739 73.216,1.155 74.647,1.67 76.039,2.284 77.385,2.992 78.679,3.791 79.915,4.678 81.087,5.648 82.189,6.697 83.215,7.819 84.162,9.01 85.024,10.263 85.798,11.573 86.479,12.933 86.479,16.098 88.479,16.098 88.479,28.098 86.479,28.098 86.479,31.263 85.798,32.623 85.024,33.933 84.162,35.186 83.215,36.377 82.189,37.499 81.087,38.548 79.915,39.518 78.679,40.405 77.385,41.204 76.039,41.912 74.647,42.526 73.216,43.041 71.752,43.457 70.264,43.77 68.757,43.98 67.24,44.085 ; 21.747,44.149 20.23,44.254 18.723,44.464 17.235,44.777 15.771,45.193 14.34,45.708 12.948,46.322 11.602,47.03 10.308,47.829 9.072,48.716 7.9,49.686 6.798,50.735 5.772,51.857 4.825,53.048 3.963,54.301 3.189,55.611 2.508,56.971 2.508,60.136 0.508,60.136 0.508,72.136 2.508,72.136 2.508,75.301 3.189,76.661 3.963,77.971 4.825,79.224 5.772,80.415 6.798,81.537 7.9,82.586 9.072,83.556 10.308,84.443 11.602,85.242 12.948,85.95 14.34,86.564 15.771,87.079 17.235,87.495 18.723,87.808 20.23,88.018 21.747,88.123 23.269,88.123 24.786,88.018 26.293,87.808 27.781,87.495 29.245,87.079 30.676,86.564 32.068,85.95 33.414,85.242 34.708,84.443 35.944,83.556 37.116,82.586 38.218,81.537 39.244,80.415 40.191,79.224 41.053,77.971 41.827,76.661 42.508,75.301 42.508,72.136 44.508,72.136 46.508,72.136 46.508,75.301 47.189,76.661 47.963,77.971 48.825,79.224 49.772,80.415 50.798,81.537 51.9,82.586 53.072,83.556 54.308,84.443 55.602,85.242 56.948,85.95 58.34,86.564 59.771,87.079 61.235,87.495 62.723,87.808 64.23,88.018 65.747,88.123 67.269,88.123 68.786,88.018 70.293,87.808 71.781,87.495 73.245,87.079 74.676,86.564 76.068,85.95 77.414,85.242 78.708,84.443 79.944,83.556 81.116,82.586 82.218,81.537 83.244,80.415 84.191,79.224 85.053,77.971 85.827,76.661 86.508,75.301 86.508,72.136 88.508,72.136 88.508,60.136 86.508,60.136 86.508,56.971 85.827,55.611 85.053,54.301 84.191,53.048 83.244,51.857 82.218,50.735 81.116,49.686 79.944,48.716 78.708,47.829 77.414,47.03 76.068,46.322 74.676,45.708 73.245,45.193 71.781,44.777 70.293,44.464 68.786,44.254 67.269,44.149 ; 23.24,44.085 24.757,43.98 26.264,43.77 27.752,43.457 29.216,43.041 30.647,42.526 32.039,41.912 33.385,41.204 34.679,40.405 35.915,39.518 37.087,38.548 38.189,37.499 39.215,36.377 40.162,35.186 41.024,33.933 41.798,32.623 42.479,31.263 42.479,28.098 44.479,28.098 46.479,28.098 46.479,31.263 47.16,32.623 47.934,33.933 48.796,35.186 49.743,36.377 50.769,37.499 51.871,38.548 53.043,39.518 54.279,40.405 55.573,41.204 56.919,41.912 58.311,42.526 59.742,43.041 61.206,43.457 62.694,43.77 64.201,43.98 65.718,44.085 ; 23.269,44.149 24.786,44.254 26.293,44.464 27.781,44.777 29.245,45.193 30.676,45.708 32.068,46.322 33.414,47.03 34.708,47.829 35.944,48.716 37.116,49.686 38.218,50.735 39.244,51.857 40.191,53.048 41.053,54.301 41.827,55.611 42.508,56.971 42.508,60.136 44.508,60.136 46.508,60.136 46.508,56.971 47.189,55.611 47.963,54.301 48.825,53.048 49.772,51.857 50.798,50.735 51.9,49.686 53.072,48.716 54.308,47.829 55.602,47.03 56.948,46.322 58.34,45.708 59.771,45.193 61.235,44.777 62.723,44.464 64.23,44.254 65.747,44.149

## Text inside footprints (layer, text, board x,y; h text height)
P7: Top Overlay "2" at 41.91,148.844 h1.27 r90; Top Overlay "1" at 44.45,149.352 h1.27 r90; Top Overlay "7" at 44.45,160.528 h1.27 r90; Top Overlay "8" at 41.91,160.528 h1.27 r90
X1: Mechanical 2 "Prednji dio konektora" at -5.629,114.243 h0.5; Mechanical 2 "Rub tiskane pločice" at -5.429,117.443 h0.5
X2: Mechanical 2 "Prednji dio konektora" at 8.214,114.243 h0.5; Mechanical 2 "Rub tiskane pločice" at 8.414,117.443 h0.5